# Altium PCB 电解模块主控板_V1.1_ZM_20210918.PcbDoc (part 2 of 3) (continued)
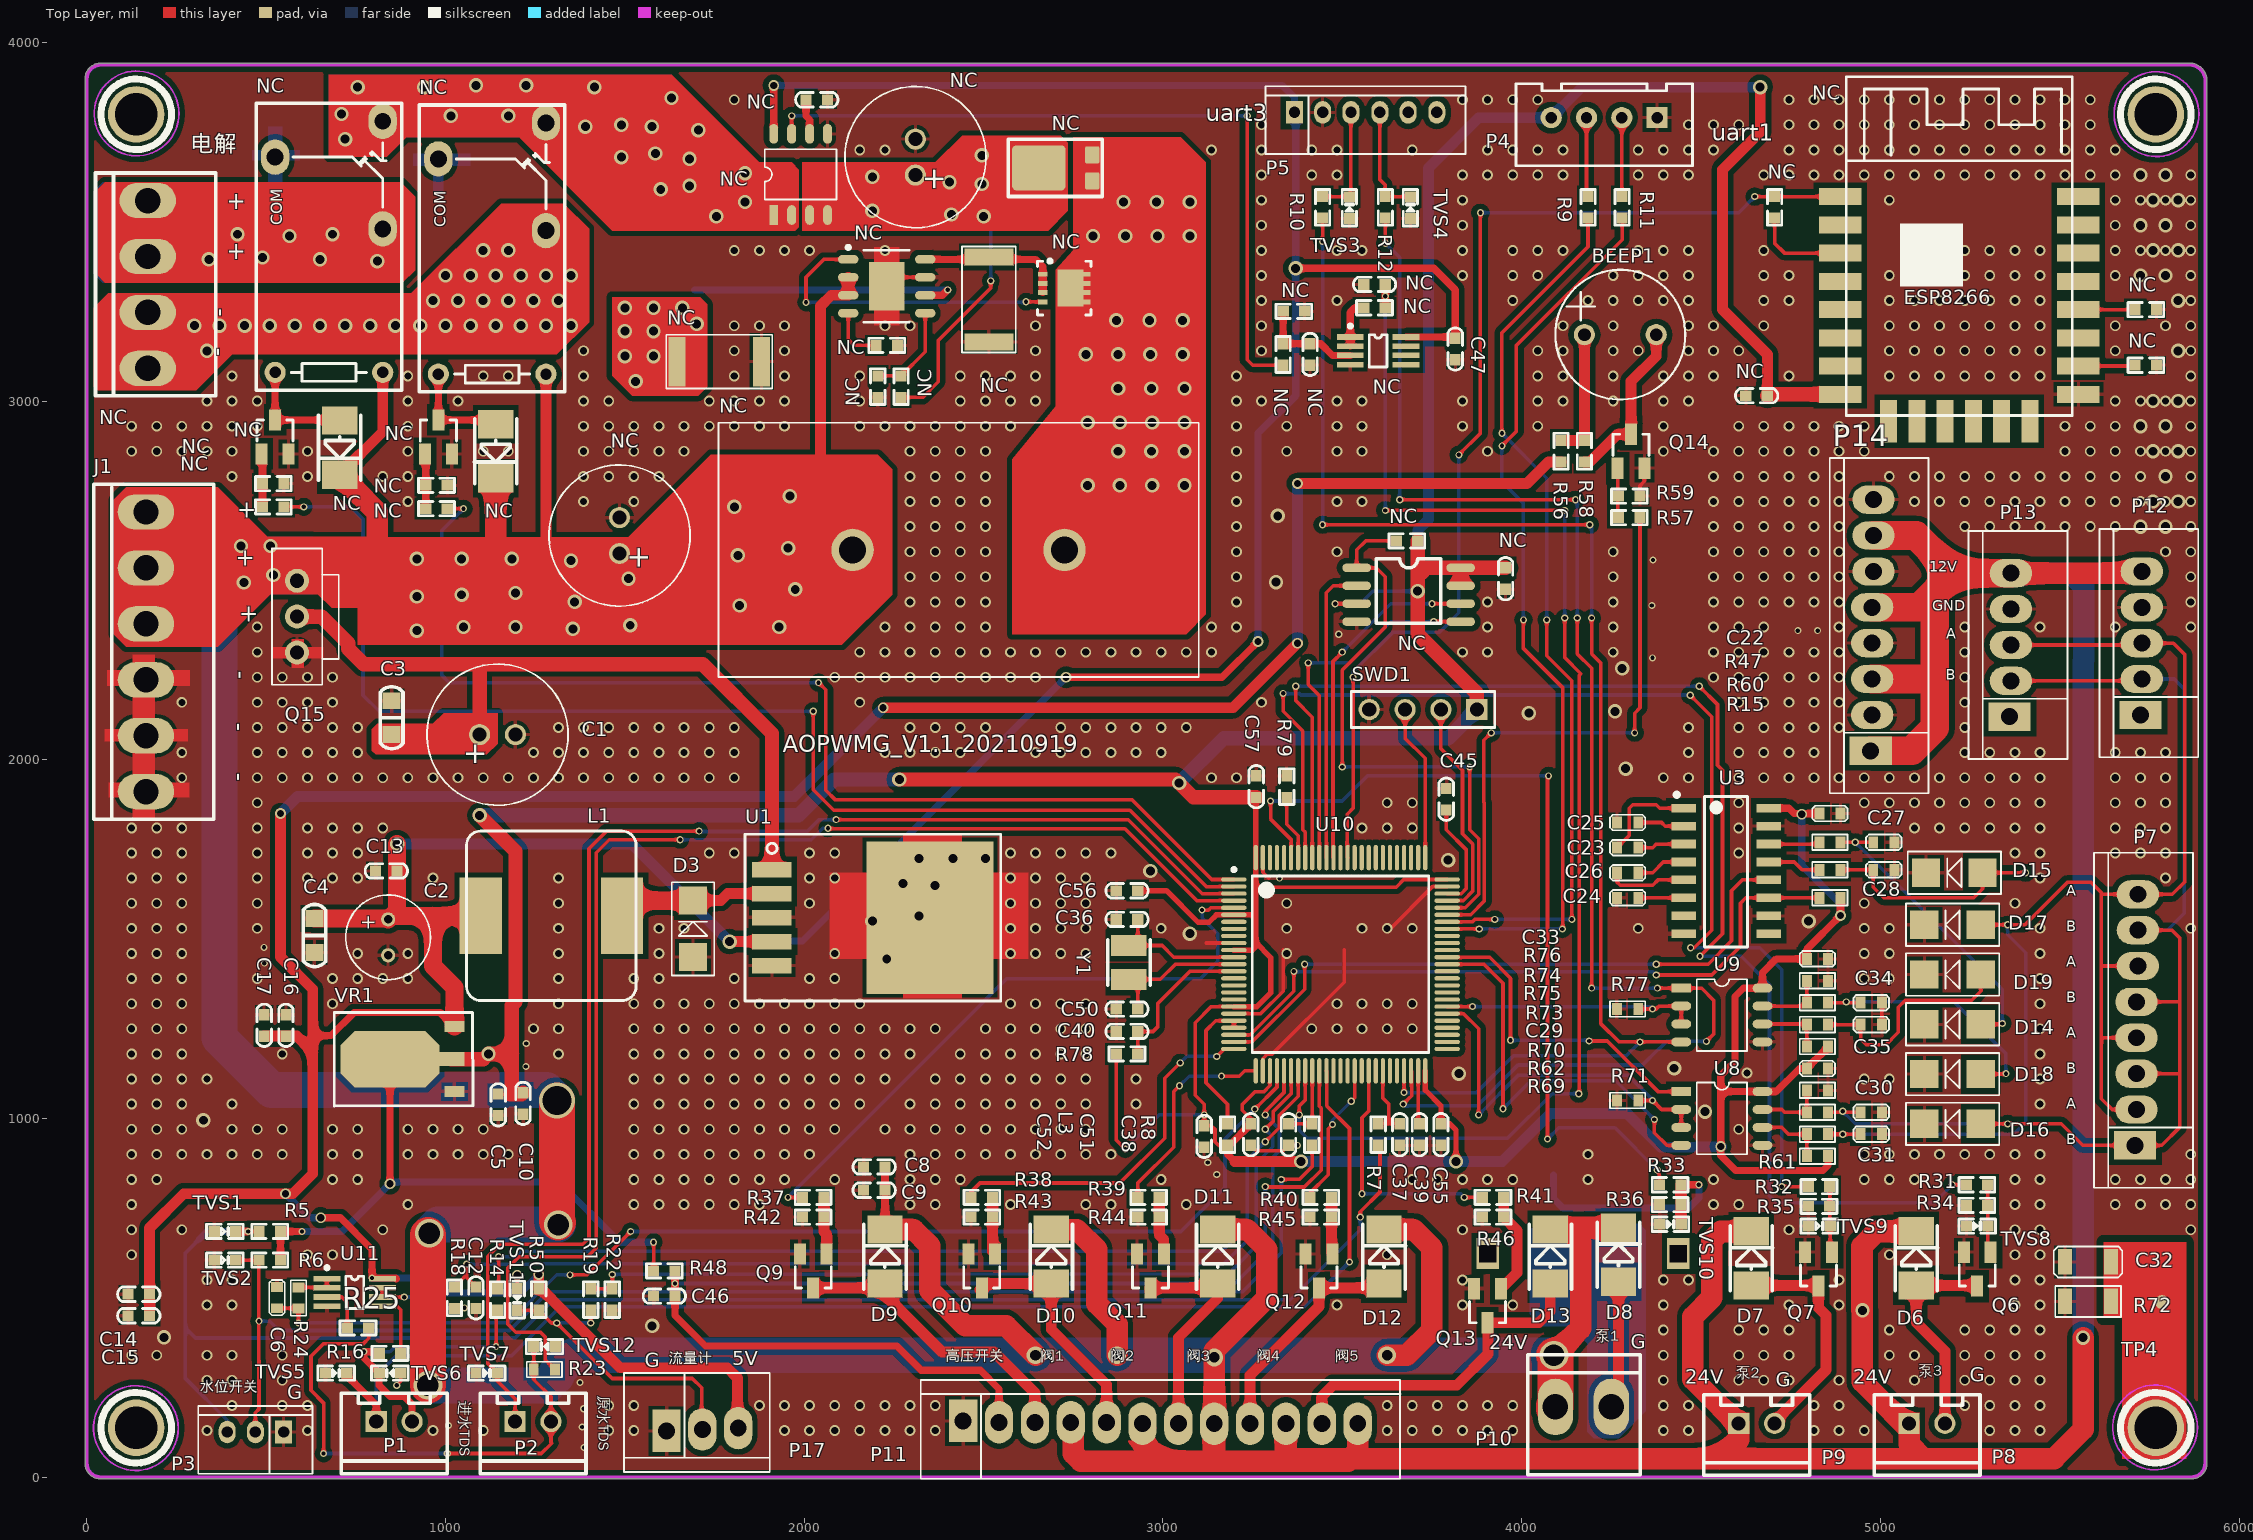
[diagram p0: Top Layer view]
## Nets (pads, with @x,y where several pads share a name; then routed paths per layer and width w, separated by ;. In a path a pad name is that pad's centre, name@x,y a point inside that pad or via, vN(x,y) a via of type N, cw(c..) or ccw(c..) an arc to the next point about the centre after c; other vN are vias at no path point) (continued)
  Top Layer w10: NC.1@2205,3070 NC.2@2270,3070 2337.28,3137.28 NC.5@2337.28,3245
NetNC_1: NC.1@2515,3401.22 NC.3@2664.96,3302.2 NC.3@2664.96,3327.8 NC.3@2664.96,3353.39 NC.8@2337.28,3395 | length 408.8
  Top Layer w20: NC.8@2337.28,3395 2645,3395 2664.96,3375.04 NC.3@2664.96,3353.39 NC.3@2664.96,3327.8 NC.3@2664.96,3302.2
NetNC_1: NC.1@2122.72,3395 NC.1@2664.96,3276.61 | length 869.1
  Top Layer w10: v3(2005,3275) 2005,3345 2055,3395 NC.1@2122.72,3395 ; v3(2618.39,3276.61) NC.1@2664.96,3276.61
  Bottom Layer w10: v3(2005,3275) 2616.77,3275 v3(2618.39,3276.61)
NetNC_1: NC.1@2802.95,3613.78 NC.1@2802.95,3686.22 NC.2@2725.55,2585 NC.2@2742.72,3315 NC.2@2785.04,3276.61 NC.2@2785.04,3302.2 NC.2@2785.04,3327.8 NC.2@2785.04,3353.39
  other v2: 2790,2765 2880,2765 2970,2765 3060,2765 2875,2860 2967.5,2860 3060,2860 2790,2940 2880,2940 2970,2940 3060,2940 2875,3035 2967.5,3035 3060,3035 2785,3130 2875,3130 2965,3130 3055,3130 2870,3225 2962.5,3225 3055,3225 2805,3460 2895,3460 2985,3460 3075,3460 2890,3555 2982.5,3555 3075,3555
NetNC_1: NC.1@3540,2535 NC.2@3650,2610 U10.71 | length 1664.1
  Top Layer w10: v3(3500,1980) 3500,2250 3620,2370 3620,2510 3595,2535 NC.1@3540,2535 3540,2585 3565,2610 NC.2@3650,2610 ; U10.71@3792.24,1587.48 3842.48,1587.48 3880,1625 3880,1780 3855,1805 v3(3855,1980)
  Bottom Layer w10: v3(3500,1980) v3(3855,1980)
NetNC_1: NC.1@5710,3100 NC.16 | length 159
  Top Layer w10: NC.16@5552,3097.56 5707.56,3097.56 NC.1@5710,3100
NetNC_1: NC.1@4705,3570 NC.1@4888,3570 U10.87 | length 3050
  Top Layer w10: U10.87@3514.69,1727.24 3513.37,1728.56 3513.37,1848.37 3530,1865 v3(3530,2230) ; v3(3825,2850) 3885,2910 v3(3885,3525) ; v3(4650,3570) NC.1@4705,3570 NC.1@4888,3570
  Bottom Layer w10: v3(3530,2230) 3530,2245 3640,2355 3770,2355 3825,2410 v3(3825,2850) ; v3(3885,3525) 4605,3525 v3(4650,3570)
NetNC_1: NC.1@3522.24,3178.39 NC.2@3522.24,3152.8 NC.2@3560,3260 | length 137.1
  Top Layer w20: NC.2@3522.24,3153.2 NC.1@3522.24,3178.39 3522.24,3247.24 3535,3260 NC.2@3560,3260
NetNC_1: NC.1@1005,2700 U10.1 | length 3142.2
  Top Layer w10: NC.1@1005,2700 v3(1050,2700) ; v3(2040,2215) 2060,2195 2060,1915 2087,1888 2914,1888 3135.78,1666.22 U10.1@3197.76,1666.22
  Bottom Layer w10: v3(1050,2700) 990,2640 990,2235 1010,2215 v3(2040,2215)
NetNC_1: NC.1@550,2705 U10.2 | length 3501.5
  Top Layer w10: NC.1@550,2705 v3(605,2705) ; v3(2025,2135) 2025,1916 2082,1859 2908,1859 3120.46,1646.54 U10.2@3197.76,1646.54
  Bottom Layer w10: v3(605,2705) 735,2705 770,2670 770,2180 815,2135 v3(2025,2135)
NetNC_1: NC.1@942.6,2852.76 NC.2@945,2700 NC.2@945,2765 | length 153.8
  Top Layer w20: NC.1@942.6,2852.76 945,2850.35 NC.2@945,2765 NC.2@945,2700
NetNC_1: NC.1@487.6,2852.76 NC.2@490,2705 NC.2@490,2770 | length 148.8
  Top Layer w20: NC.1@487.6,2852.76 490,2850.35 NC.2@490,2770 NC.2@490,2705
NetNC_1: NC.1@170,3091.14 NC.1@1280,3475 NC.2@170,3247.05
  other v2: 335,3140 300,3210 370,3210 440,3210 510,3210 580,3210 650,3210 720,3210 790,3210 860,3210 930,3210 1000,3210 1070,3210 1140,3210 1210,3210 1280,3210 1350,3210 965,3280 1035,3280 1105,3280 1175,3280 1245,3280 1315,3280 1000,3350 1070,3350 1140,3350 1210,3350 1280,3350 1350,3350 1105,3420 1175,3420
NetNC_1: NC.1@825,3480 NC.3@170,3402.95 NC.4@170,3558.86
  other v2: 810,3390 340,3395 650,3395 490,3400 565,3460 420,3465 685,3465
NetNC_1: NC.1@1140,2935.39 NC.3@980,2947.24 NC.4@980,3075 | length 292.7
  Top Layer w20: NC.4@980,3075 NC.3@980,2947.24 1128.15,2947.24 NC.1@1140,2935.39
NetNC_1: NC.1@705,2945.39 NC.3@525,2947.24 NC.4@525,3080 | length 313.5
  Top Layer w20: NC.4@525,3080 NC.3@525,2947.24 703.15,2947.24 NC.1@705,2945.39
NetNC_1: NC.1@3335,3160 NC.1@3410,3160 NC.2@3335,3250 NC.3@3522.24,3127.2 | length 290.8
  Top Layer w20: NC.2@3335,3250 NC.1@3335,3160 NC.1@3410,3160 3440,3160 3472.8,3127.2 NC.3@3522.24,3127.2
NetNC_1: NC.1@2005,3840 NC.6@2015,3745 | length 99.1
  Top Layer w20: NC.1@2005,3840 2005,3795 2015,3785 NC.6@2015,3745
NetNC_2: NC.2@3540,2485 U10.90 | length 830.8
  Top Layer w10: U10.90@3455.63,1727.24 3455.63,2465.63 3475,2485 NC.2@3540,2485
NetNC_2: NC.2@5710,3255 NC.18 | length 158
  Top Layer w10: NC.18@5552,3255.04 NC.2@5710,3255 NC.2@5710,3255
NetNC_2: NC.2@4705,3510 NC.3@4888,3412.52 | length 264.4
  Top Layer w10: NC.2@4705,3510 4705,3440 4732.48,3412.52 NC.3@4888,3412.52
NetNC_2: NC.2@3335,3100 NC.7@1965,3745 | length 2106.2
  Top Layer w10: NC.7@1965,3745 v3(1965,3795) ; v3(3235,3795) 3235,3115 3250,3100 NC.2@3335,3100
  Bottom Layer w10: v3(1965,3795) v3(3235,3795)
NetNC_5: NC.5@3830,2385 U10.91 | length 1028.2
  Top Layer w10: v3(3405,2270) 3405,2210 3435.94,2179.06 U10.91@3435.94,1727.24 ; v3(3755,2385) NC.5@3830,2385
  Bottom Layer w10: v3(3405,2270) 3520,2270 3635,2385 v3(3755,2385)
NetNC_6: NC.6@3830,2435 U10.89 | length 970
  Top Layer w10: U10.89@3475.31,1727.24 3474,1728.56 3474,2274 v3(3500,2300) ; v3(3750,2435) NC.6@3830,2435
  Bottom Layer w10: v3(3500,2300) 3635,2435 v3(3750,2435)
NetNC_21: NC.21
NetNC_22: NC.22
NetP1_1: P1.1 TVS5.2 U10.36 | length 3700.7
  Top Layer w10: U10.36@3455.63,1132.76 3457,1131.39 3457,1035 3520,972 v3(3520,600)
  Top Layer w20: TVS5.2@725,290 725,283 807,201 P1.1@807,155
  Bottom Layer w10: P1.1@807,155 807,283 862,338 1183,338 1320,475 3395,475 v3(3520,600)
NetP1_2: P1.2 R14.2 R16.1 TVS6.2 | length 794.1
  Top Layer w10: v3(1141,364) 1141,461 R14.2@1145,465
  Top Layer w20: R16.1@815,345 810,350 v3(773,350) 773,332 TVS6.2@815,290 815,255.65 845.15,225.5 884.5,225.5 907,203 P1.2@907,155
  Bottom Layer w10: v3(773,350) 845,350 859,364 v3(1141,364)
NetP2_1: P2.1 TVS7.2 U10.3 | length 3798.1
  Top Layer w10: P2.1@1194,155 1194,218 1145,267 TVS7.2@1145,290 1118,317 1118,615 1152,649 1383,649 1400,666 1400,1752 1449,1801 v3(1707,1801) ; v3(2089,1833) 2903,1833 3109.15,1626.85 U10.3@3197.76,1626.85
  Bottom Layer w10: v3(1707,1801) 1708,1800 2008,1800 2041,1833 v3(2089,1833)
NetP2_2: P2.2 R23.2 R25.1 TVS12.2 | length 1434
  Top Layer w10: v3(660,66) 660,207 625,242 625,337 660.5,372.5 771.5,372.5 786,387 R25.1@786,416 ; v3(1005,66) 1267,66 1296,95 1294,97 P2.2@1294,155 1294,223.94 1245.94,272 R23.2@1245.94,300 ; R23.2@1246,300 TVS12.2@1246,364
  Bottom Layer w10: v3(660,66) v3(1005,66)
NetP3_2: P3.2 R6.2 R8.1 TVS2.2 | length 3864.5
  Top Layer w10: TVS2.2@415,605 R6.2@480,605 479,604 479,326.16 480,325.16 480,190 470,180 P3.2@470,126 ; v3(3330,830) 3380,830 3416,866 3416,924 R8.1@3415,925
  Bottom Layer w10: v3(480,435) 510,435 536,409 1178.5,409 1287,517.5 3222.5,517.5 3330,625 v3(3330,830)
NetP4_2: P4.2 R11.1 | length 220.3
  Top Layer w10: P4.2@4279.21,3790 4279.21,3570.79 R11.1@4280,3570
NetP4_3: P4.3 R9.1 | length 221.7
  Top Layer w10: P4.3@4180.79,3790 4180.79,3574.21 R9.1@4185,3570
NetP5_3: P5.3 R10.1 TVS3.2 | length 312.8
  Top Layer w10: R10.1@3445,3570 3519,3570 TVS3.2@3520,3569 3524.04,3573.04 P5.3@3524.04,3804.75
NetP5_4: P5.4 R12.1 TVS4.2 | length 311.5
  Top Layer w10: P5.4@3604.75,3804.75 3604.75,3617.46 3619.21,3603 3619.21,3570.79 R12.1@3620,3570 3689,3570 TVS4.2@3690,3569
NetP17_2: P17.2 R19.1 R50.2 TVS11.2 | length 821.4
  Top Layer w10: TVS11.2@1200,465 R50.2@1260,465 1295,430 v3(1310,430) 1465,275 1688,275 1714,249 P17.2@1714,161.06 ; v3(1405,430) R19.1@1405,465
  Bottom Layer w10: v3(1310,430) v3(1405,430)
NetQ6_1: Q6.1 R31.1 R34.1 TVS8.2 | length 191.2
  Top Layer w10: R31.1@5299,815 R34.1@5299,757.5 5299,635.65 Q6.1@5307.4,627.24
NetQ7_1: Q7.1 R32.1 R35.1 TVS9.2 | length 185.2
  Top Layer w10: R32.1@4859,810 R35.1@4859,755 4859,701 TVS9.2@4860,700 4860,632.15 Q7.1@4864.9,627.24
NetQ8_1: Q8.1 R33.1 R36.1 TVS10.2 | length 691.1
  Top Layer w20: R33.1@4444,815 v3(4494,815)
  Top Layer w30: R33.1@4444,815 R36.1@4444,760 4444,706 TVS10.2@4445,705
  Bottom Layer w20: Q8.1@4088.45,842.65 4088.45,776.55 4115,750 4465,750 4494,779 v3(4494,815)
NetQ9_1: Q9.1 R37.1 R42.1 | length 160.8
  Top Layer w30: R37.1@2055,780 R42.1@2055,725 2055,685 2062.4,677.6 Q9.1@2062.4,622.24
NetQ10_1: Q10.1 R38.1 R43.1 | length 160.8
  Top Layer w30: R38.1@2525,780 R43.1@2525,725 2525,629.65 Q10.1@2532.4,622.24
NetQ11_1: Q11.1 R39.1 R44.1 | length 162.9
  Top Layer w30: R39.1@2990,780 R44.1@2990,725 2990,675 3002.4,662.6 Q11.1@3002.4,622.24
NetQ12_1: Q12.1 R40.1 R45.1 | length 158.8
  Top Layer w30: R40.1@3470,780 R45.1@3470,725 3470,624.65 Q12.1@3472.4,622.24
NetQ13_1: Q13.1 R41.1 R46.1 | length 288.6
  Top Layer w30: Q13.1@3942.4,525.24 3987,569.84 3987,688 R46.1@3950,725 R41.1@3950,780
NetQ14_1: Q14.1 R57.2 R59.1 | length 138.8
  Top Layer w10: Q14.1@4267.6,2812.76 4267.6,2677.4 R57.2@4270,2675
NetR9_2: R9.2 U10.69 | length 2485.8
  Top Layer w10: U10.69@3792.24,1548.11 3863.11,1548.11 3870,1555 v3(3925,1555) ; v3(3945,2910) 3945,3190 4185,3430 R9.2@4185,3510 ; v3(4070,2390) 4070,2290 4140,2220 v3(4140,1555)
  Bottom Layer w10: v3(3925,1555) v3(4140,1555) ; v3(3945,2910) 4070,2785 v3(4070,2390)
NetR11_2: R11.2 U10.68 | length 2512.6
  Top Layer w10: U10.68@3792.24,1528.43 v3(3881.57,1528.43) ; v3(3945,2875) 3985,2915 3985,3155 4280,3450 R11.2@4280,3510 ; v3(4005,2390) 4005,2310 4115,2200 4115,1530 v3(4113.43,1528.43)
  Bottom Layer w10: v3(3881.57,1528.43) v3(4113.43,1528.43) ; v3(3945,2875) 3945,2775 4005,2715 v3(4005,2390)
NetR14_1: R14.1 U10.32 | length 2705
  Top Layer w10: R14.1@1145,525 1148,528 v3(1148,615) ; v3(3285,935) 3324,974 3324,1009 3376.89,1061.89 U10.32@3376.89,1132.76
  Bottom Layer w10: v3(1148,615) 1195,615 1210,630 3165,630 3235,700 3235,885 v3(3285,935)
NetR16_2: R16.2 U11.5 | length 176.2
  Top Layer w10: U11.5@824.76,476.61 865.39,476.61 875,467 R16.2@875,345
NetR18_2: R18.2 U11.6 U11.7 | length 257.3
  Top Layer w10: U11.6@824.76,502.2 U11.7@824.76,527.8 ; 862.76,502.2 862.96,502 v3(885,502) ; R18.2@1025,470 1027,472 v3(1053,472)
  Bottom Layer w10: v3(885,502) 957.59,502 957.8,502.2 988,472 v3(1053,472)
NetR19_2: R19.2 R22.2 U10.35 | length 2552.2
  Top Layer w10: R19.2@1405,525 R22.2@1465,525 v3(1465,565) ; v3(3285,810) 3286,809 3394,809 3441,856 3441,1029 3435.94,1034.06 U10.35@3435.94,1132.76
  Bottom Layer w10: v3(1465,565) 3182.5,567.5 3285,670 v3@3285,805
NetR23_1: R23.1 U10.4 | length 3639
  Top Layer w10: R23.1@1305,300 1278,327 1278,391 1265,404 1196,404 1174,426 1174,584 1204,614 1395,614 1420,639 1420,1741 1456,1777 v3(1654,1777) ; v3(2066,1809) 2067,1808 2894,1808 3094.83,1607.17 U10.4@3197.76,1607.17
  Bottom Layer w10: v3(1654,1777) 2020,1777 2052,1809 v3(2066,1809)
NetR24_2: R24.2 U11.1 U11.2 | length 104.8
  Top Layer w10: R24.2@590,529.06 U11.2@669.24,529.06 ; U11.2@669.24,527.8 U11.2@669.24,529.06 ; U11.1@669.24,553.39 U11.2@669.24,529.06
NetR25_2: R25.2 U11.3 | length 134.1
  Top Layer w10: U11.3@669.24,502.2 710.8,502.2 726,487 R25.2@726,416
NetR31_2: R31.2 U10.92 | length 3820.2
  Top Layer w10: v3(3370,2205) 3370,2165 3416.26,2118.74 U10.92@3416.26,1727.24 ; v3(4495,2205) 4546,2154 4546,1985 4560,1971 4560,1515 v3(4497,1452) ; v3(5200,815) R31.2@5239,815
  Bottom Layer w10: v3(3370,2205) v3(4495,2205) ; v3(4497,1452) 4612,1452 4691,1373 4691,784 4710,765 5150,765 v3(5200,815)
NetR32_2: R32.2 U10.93 | length 3338.6
  Top Layer w10: v3(3335,2185) 3335,2135 3390,2080 3390,1805 3396.57,1798.43 U10.93@3396.57,1727.24 ; v3(4470,2180) 4530,2120 4530,1525 4481,1476 v3(4471,1476) ; v3(4725,810) R32.2@4799,810
  Bottom Layer w10: v3(3335,2185) 3336,2184 3378.7,2184 3379.7,2185 3384.17,2180.53 4469.47,2180.53 v3(4470,2180) ; v3(4471,1476) 4664,1476 4725,1415 v3(4725,810)
NetR33_2: R33.2 U10.95 | length 2409.1
  Top Layer w10: v3(3300,1885) 3300,1835 3357.2,1777.8 U10.95@3357.2,1727.24 ; v3(4072,943) 4072,1952 v3(4075,1955) ; v3@4378,851 4384,845 R33.2@4384,815
  Bottom Layer w10: v3(3300,1885) 3500,1885 3570,1955 v3(4075,1955) ; v3(4072,943) 4103,974 4260,974 v3(4378,856) ; v3@4375,853 v3@4378,850
NetR37_2: R37.2 U10.5 | length 1763.2
  Top Layer w10: v3(1955,780) R37.2@1995,780 ; v3(3109,1581) 3126.74,1581 3133.22,1587.48 U10.5@3197.76,1587.48
  Bottom Layer w10: v3(1955,780) 2565,1390 3105,1390 3153,1438 3153,1515 3109,1559 v3(3109,1581)
NetR38_2: R38.2 U10.25 | length 1010.8
  Top Layer w10: R38.2@2465,780 2465,795 2490,820 2880,820 3005,945 3005,1112 v3(3048,1155) ; v3(3150,1173) 3170.78,1193.78 U10.25@3197.76,1193.78
  Bottom Layer w10: v3(3048,1155) 3066,1173 v3(3150,1173)
NetR39_2: R39.2 U10.26 | length 589.1
  Top Layer w10: R39.2@2930,780 2930,820 3030,920 3030,1075 v3(3046,1091) ; v3(3163,1118) 3213,1118 3227.76,1132.76 U10.26@3258.78,1132.76
  Bottom Layer w10: v3(3046,1091) 3073,1118 v3(3163,1118)
NetR40_2: R40.2 U10.40 | length 404.3
  Top Layer w10: R40.2@3410,780 3410,792 3461,843 3461,971.6 v3(3472.4,983) ; v3(3525,1048) 3534.37,1057.37 U10.40@3534.37,1132.76
  Bottom Layer w10: v3(3472.4,983) 3472.4,995.4 v3(3525,1048)
NetR41_2: R41.2 U10.42 | length 689.7
  Top Layer w10: v3(3555,790) 3555,1002 3573.74,1020.74 U10.42@3573.74,1132.76 ; v3(3840,780) R41.2@3890,780
  Bottom Layer w10: v3(3555,790) 3830,790 v3(3840,780)
NetR47_1: R47.1 U3.14 | length 143.5
  Top Layer w10: U3.14@4688.61,1765 4825,1765 R47.1@4830,1770
NetR57_1: R57.1 U10.70 | length 1604.3
  Top Layer w10: U10.70@3792.24,1567.8 3857.8,1567.8 3896,1606 3896,1880 3894,1882 3894,2054 v3(3915,2075) ; v3(4315,2075) 4315,2130 4330,2145 R57.1@4330,2675
  Bottom Layer w10: v3(3915,2075) v3(4315,2075)
NetR60_1: R60.1 U3.13 | length 150.4
  Top Layer w10: U3.13@4688.61,1715 4760,1715 4781.67,1693.33 R60.1@4830,1693.33
NetR61_1: R61.1 R69.1 U8.6 | length 192.6
  Top Layer w10: U8.6@4671.38,975 4725,975 4743.89,956.11 R69.1@4795,956.11 R61.1@4795,895
NetR62_1: R62.1 R70.1 U8.7 | length 188
  Top Layer w10: U8.7@4671.38,1025 4725,1025 4732.78,1017.22 R62.1@4795,1017.22 R70.1@4795,1078.33
NetR73_1: R73.1 R75.1 U9.6 | length 185.4
  Top Layer w10: U9.6@4671.38,1263.34 4793.32,1263.34 R75.1@4795,1261.67 R73.1@4795,1200.56
NetR74_1: R74.1 R76.1 U9.7 | length 188.6
  Top Layer w10: U9.7@4671.38,1313.34 4785.57,1313.34 R74.1@4795,1322.78 R76.1@4795,1383.89
NetR79_2: R79.2 U10.94 | length 181
  Top Layer w10: R79.2@3345,1895 3345,1820 3376.89,1788.11 U10.94@3376.89,1727.24
NetU10_38: U10.38
NetU10_39: U10.39
NetU10_41: U10.41
NetU10_43: U10.43
NetU10_45: U10.45
NetU10_46: U10.46
NetU10_51: U10.51
NetU10_52: U10.52
NetU10_53: U10.53
NetU10_54: U10.54
NetU10_58: U10.58
NetU10_59: U10.59
NetU10_61: U10.61
NetU10_62: U10.62
NetU10_65: U10.65
NetU10_66: U10.66
NetU10_78: U10.78
NetU10_79: U10.79
NetU10_80: U10.80
NetU10_81: U10.81
NetU10_82: U10.82
NetU10_83: U10.83
NetU10_85: U10.85
NetU10_86: U10.86
NetU10_88: U10.88
RCS: NC.1@1645,3110 NC.3@525,3680 NC.3@980,3675 NC.6@2337.28,3295 | length 773.9
  Top Layer w20: NC.6@2337.28,3295 2385,3295 v3(2400,3310)
  Bottom Layer w20: 1695,3310 v3(2400,3310)
  other v2: 1530,3055 1500,3125 1580,3125 1500,3195 1580,3195 1700,3215 1500,3260 1580,3260 1660,3260
RXD1_485: U8.1 U10.64 | length 910.1
  Top Layer w10: U10.64@3792.24,1449.68 3792.93,1449 3911,1449 3970,1390 3969,1389 v3(3969,1218) ; v3(4188,1216) 4239,1216 4380,1075 U8.1@4445,1075
  Bottom Layer w10: v3(3969,1218) 4186,1218 v3(4188,1216)
RXD2_485: R12.2 U9.1 U10.48 | length 4172.9
  Top Layer w10: v3(3620,3440) R12.2@3620,3510 ; v3(3660,2725) v3(4150,2725) ; v3(3670,1040) 3687.5,1057.5 3687.5,1057.8 3693.17,1063.47 3693.17,1131.44 U10.48@3691.85,1132.76 ; v3(4155,2395) 4155,2295 4195,2255 v3(4195,1363.34) ; v3(4378.34,1363.34) U9.1@4445,1363.34 4501.66,1363.34 4535,1330 4535,1235 v3(4515,1215)
  Bottom Layer w10: v3(3620,3440) 3660,3400 v3(3660,2725) ; v3(3670,1040) 3675,1035 3876,1035 3990,1149 4337,1149 4382,1194 ; v3(4150,2725) 4155,2720 v3(4155,2395) ; v3(4195,1363.34) v3(4378.34,1363.34) ; 4383,1193 4405,1215 v3(4515,1215)
RXD_233: U3.12 U10.24 | length 1805.9
  Top Layer w10: U10.24@3197.76,1213.46 3248.46,1213.46 3395,1360 v3(3395,1430) ; v3(4375,1430) 4520,1430 4585,1495 4585,1635 4615,1665 U3.12@4688.61,1665
  Bottom Layer w10: v3(3395,1430) v3(4375,1430) v3@4380,1430
SWCLK: SWD1.3 U10.76 | length 436
  Top Layer w10: SWD1.3@3675,2140 3675,2060 3731.22,2003.78 U10.76@3731.22,1727.24
SWDIO: SWD1.2 U10.72 | length 625.7
  Top Layer w10: SWD1.2@3775,2140 3775,2030.3 3835,1970.3 3835,1794 3864,1765 3864,1634 3837.17,1607.17 U10.72@3792.24,1607.17
TXD1_485: U8.4 U10.63 | length 1157.1
  Top Layer w10: U10.63@3792.24,1430 3895,1430 3948,1377 v3(3948,1027) ; v3@4370,998 v3(4370,997) 4370,960 4405,925 U8.4@4445,925
  Bottom Layer w10: v3(3948,1027) 4026,1105 4262,1105 v3(4370,997) v3@4372,995
TXD2_485: R10.2 U9.4 U10.47 | length 4027
  Top Layer w10: v3(3445,2655) v3(4190,2655) ; v3(3445,3445) R10.2@3445,3510 ; v3(3672.17,1072.17) U10.47@3672.17,1132.76 ; v3(4195,2395) 4195,2295 4220,2270 4220,1265 4271.66,1213.34 v3(4330,1213.34) U9.4@4445,1213.34
  Bottom Layer w10: v3(3445,2655) v3(3445,3445) ; v3(3672.17,1072.17) 3874.17,1072.17 3977,1175 4292,1175 v3@4331,1214 ; v3(4190,2655) 4195,2650 v3(4195,2395)
TXD_232: R15.2 U3.11 U10.23 | length 1901.2
  Top Layer w10: U10.23@3197.76,1233.15 3243.15,1233.15 3365,1355 v3(3365,1410) ; v3(4375,1400) 4530,1400 4610,1480 4610,1600 4625,1615 U3.11@4688.61,1615 R15.2@4830,1615
  Bottom Layer w10: v3(3365,1410) 3366,1409 4366,1409 v3(4375,1400)
V5.0: C2.1 C4.2 C13.2 C14.2 C15.2 C16.2 C17.2 C47.2 L1.2 NC.8@1915,3745 NC.8@3677.76,3178.39 P5.1 P17.3 R50.1 R56.2 U1.4 U11.8 VR1.3 | length 16296.4
  Top Layer w20: 630,1231 681,1231 745,1295 986.1,1295 VR1.3@1025,1256.1 ; v1(652,723) 707,723 795,635 v3(795,555) 861.14,555 862.76,553.39 ; NC.8@1915,3745 v1(1915,3880) ; v1(2730,2230) 3165,2230 v1(3265,2330) ; v2(3370,3370) 3755,3370 3815,3310 C47.2@3815,3175 3811.61,3178.39 NC.8@3677.76,3178.39
  Top Layer w30: C15.2@175,450 C14.2@175,510 175,695 270,790 v1(554,790) 574,790 630,846 630,1185 ; C17.2@494.47,1230 585,1230 630,1185 ; v1(540,1850) 540,1450 630,1360 630,1231 630,1185 ; v1(1260,565) R50.1@1260,525 1266.16,525 1486.16,305 1785.17,305 1814,276.17 P17.3@1814,157.13 ; v2(1791.93,1493.07) U1.4@1910,1493.07 ; v1(2220,2145) 3195,2145 v1(3375,2325) ; v1(3375,2770) 4015,2770 4075,2830 R56.2@4110,2830
  Top Layer w50: C4.2@635,1557.24 837.76,1557.24 C2.1@840,1555 C2.1@850,1565 ; v2(865,1765) C13.2@865,1690 865,1580 C2.1@850,1565 ; VR1.3@1025,1256.1 1025,1365 965,1425 965,1565 ; L1.2@1098.15,1565 965,1565 ; C2.1@850,1565 965,1565
  Bottom Layer w20: v1(554,790) 621,723 v1(652,723) ; v3(795,555) 941,555 983,513 1208,513 v1(1260,565) ; v2(1791.93,1493.07) 1793.86,1495 1995,1495 v1(2730,2230) ; v1(1915,3880) 3332.36,3880 3366.56,3845.8 P5.1@3366.56,3804.75 3370,3801.31 v2(3370,3370) 3370,3015 3265,2910 v1(3265,2330)
  Bottom Layer w30: v1(540,1850) 587.5,1897.5 1972.5,1897.5 v1(2220,2145) ; v2(865,1765) 1520,1765 v2(1791.93,1493.07) ; v1(3375,2325) v1(3375,2770)
VDD12V: C8.2 C9.2 D6.2 D7.2 D8.2 D9.2 D10.2 D11.2 D12.2 D13.2 J1.4 J1.5 J1.6 NC.1@1485,2575 NC.1@2134.98,2584.98 NC.2@705,2794.61 NC.2@1140,2784.61 NC.2@2122.72,3345 NC.3@2122.72,3295 NC.5@825,3080 NC.5@1280,3075 P8.1 P9.1 P10.1 P11.4 P11.6 P11.8 P11.10 P11.12 P12.5 P13.5 P14.1 P14.3 P14.5 P14.7 Q15.3 | length 21400.6
  Top Layer w20: D9.2@2225,690.39 C9.2@2225,800 C8.2@2225,865
  Top Layer w30: NC.2@705,2794.61 825,2914.61 NC.5@825,3080 ; 1280,2605 NC.5@1280,3075 ; 2055,2820 2045,2830 2045,3265 2075,3295 NC.3@2122.72,3295 NC.2@2122.72,3345
  Top Layer w60: NC.2@705,2794.61 810,2689.61 810,2600 ; 1140,2605 NC.2@1140,2784.61 ; v5(1314,704) v5@1314,710 ; D9.2@2225,690.39 2304.61,690.39 2350,645 2350,521 2448.5,422.5 2562.5,422.5 v4(2645,340) ; D10.2@2688.75,690.39 2759.61,690.39 2815,635 2815,484 2872,427 v4(2872,340) ; P11.4@2743,153.06 2750,146.06 2750,66 2771,45 2991,45 ; P11.6@2943,149.13 2943,93 2991,45 ; v4@3143,353 P11.8@3143,149.13 3143,48 3146,45 ; v4(3143.03,334.03) 3143.03,353.03 3290,500 3290,635 3234.61,690.39 D11.2@3152.5,690.39 ; P11.10@3343,149.13 3343,51 3522,51 ; P11.12@3543,149.13 3543,72 3522,51 ; D12.2@3616.25,690.39 3699.61,690.39 3750,640 3750,410 3680,340 v4(3625,340) ; v5(4090,340) 4165.21,415.21 4165.21,654.79 4129.61,690.39 D13.2@4080,690.39 4085,695.39 D8.2@4270,695.39 ; D7.2@4640,685.39 4555.39,685.39 4530,660 4530,500 4477.5,447.5 4477.5,273.5 4601,150 P9.1@4605,150 4605,105 4551,51 ; v2@4948.75,465 4948.75,643.75 4990.39,685.39 D6.2@5100,685.39 ; v2(4950,465) 4950,265.8 5065.8,150 P8.1@5080,150 5080,92 5120,52 5174,52 ; P13.5@5363.94,2520 5723.94,2520 P12.5@5728.94,2525 ; v2(5565,389) 5565,133 5484,52 5174,52 ; 2991,45 3146,45 ; 3146,45 3516,45 3522,51 ; 3522,51 4551,51 ; 4551,51 5173,51 5174,52
  Top Layer w80: P14.1@4973.06,2025 5088,2025 5152,2089 5152,2235 ; P14.3@4977,2225 5142,2225 5152,2235 ; P14.5@4977,2425 5110,2425 5152,2467 ; P14.7@4980.94,2625 5100,2625 5205,2520 ; P13.5@5363.94,2520 5205,2520 ; 5152,2235 5152,2467 ; 5152,2467 5205,2520
  Top Layer w100: v5(951,256) v5@951,676 ; v6(1311,1050) 1311,713 v5@1314,710 ; P10.1@4090,190 4090,200.09 P10.1@4094.09,196 4094.09,335.91 v5(4090,340)
  Bottom Layer w60: P13.5@5363.94,2520 5531,2520 5567,2484 5567,2277 5565,2275 v2(5565,389)
  Bottom Layer w100: 370,2461 370,1224 515,1079 1282,1079 v6(1311,1050) ; v5(951,256) 1282.77,256 1309,282.23 1309,291.34 1357.66,340 v4(2645,340) v4(2872,340) v5(4090,340) ; v5(955,680) 979,704 v5(1314,704)
  other v2: 920,2360 1355,2365 1050,2370 1195,2370 1930,2370 1515,2375 1820,2430 1360,2440 920,2455 1045,2460 1195,2465 1975,2475 438,2494 1510,2505 520,2515 1350,2555 920,2560 1045,2560 1185,2560 1815,2570 1955,2590 430,2596 512,2596 1805,2705 1960,2735
VDD12V1: C1.1 C3.2 Q15.2 U1.1 | length 2046.7
  Top Layer w40: Q15.2@586,2399 655,2399 729,2325 729,2309.23 772.23,2266 1087,2266 ; C1.1@1095,2070 1095,2258 1087,2266 ; U1.1@1910,1693.86 1910,2073 1717,2266 1087,2266
VDD_ELE: NC.1@2270,3010 NC.1@2310,3630 NC.2@2654,3650 NC.3@2015,3518.62 NC.4@2065,3518.62 | length 652
  Top Layer w10: NC.1@2270,3010 2330,3010 2374,3054 2374,3169 2520,3315 v3(2520,3335)
  Bottom Layer w10: v2(2500,3515) 2520,3495 v3(2520,3335)
  other v2: 2410,3520 2190,3530 2495,3605 2405,3610 2190,3625 2495,3685
VO+: NC.1@1915,3518.62 NC.2@825,3780 NC.2@1280,3775 NC.2@1965,3518.62
  other v2: 1755,3515 1835,3555 1600,3590 1680,3600 1835,3635 1680,3675 1490,3680 1585,3690 720,3730 1705,3755 1390,3765 1575,3765 1490,3770 1015,3795 1175,3795 710,3800 1630,3845 755,3875 940,3875 1415,3875 1085,3880 1225,3880
pads on no net: NC.2@4888,3491.26 NC.4@4888,3333.78 NC.5@3677.76,3101.61 NC.5@4888,3255.04 NC.6@3677.76,3127.2 NC.6@4888,3176.3 NC.7@3677.76,3152.8 NC.7@4888,3097.56 NC.9@5023,2944 NC.10 NC.11 NC.12 NC.13 NC.14 NC.17 NC.19 NC.20 P5.5 P5.6 P12.1 P13.1 Q8.4 Q8.5 U3.7 U3.9 U10.7 U10.8 U10.9 U10.15 U10.16 U10.17 U10.18 U10.37 U10.55 U10.60 U10.67 U10.77 U10.84 U10.96 U10.97 U10.98

## Polygon pours and split planes (outlines as drawn)
GND on Bottom Layer "Top Layer-No Net" (solid, remove dead copper, pour order 12): -157,4057 6073,4057 6108,4092 6183,4017 6183,-178 4753,-178 4618,-313 4468,-163 -197,-163 -197,4092 -187,4102
RCS on Bottom Layer "Top Layer-No Net" (solid, remove dead copper, pour order 0): 435,3890 580,3890 630,3890 640,3880 645,3875 1020,3875 1080,3875 1095,3860 1240,3715 1460,3715 1500,3715 1680,3535 1735,3480 1735,3060 1735,3045 1705,3015 1700,3010 1585,3010 1530,3010 1500,3040 1460,3080 1460,3165 1460,3405 1385,3480 1345,3520 1200,3520 445,3520 425,3540 400,3565 400,3720 400,3855 435,3890
GND on Top Layer "Top Layer-No Net" (solid, remove dead copper, pour order 10): -765,4260 -469.29,3964.29 6160,3964.29 6160,-65 -305,-65 -305,3964.29

## Keep-outs
Keep-Out Layer:
  circle w5: c5765.8,138.8 r118.11
  circle w5: c5769.8,3799.8 r118.11
  circle w5: c138.8,3801.8 r118.11
  circle w5: c136.8,136.8 r118.11
  lines w10: 29.37,3937.01 5856.14,3937.01 ; 39.37,3937.01 ccw(c39.37,3897.64) 0,3897.64 0,39.37 ccw(c39.37,39.37) 39.37,0 5866.14,0 ccw(c5866.14,39.37) 5905.51,39.37 5905.51,3897.64 ccw(c5860.57,3892.07) 5855,3937.01
Mechanical 1:
  lines w10: 30,3937.01 5856.77,3937.01 ; 40,3937.01 ccw(c40,3897.64) 0.63,3897.64 0.63,39.37 ccw(c40,39.37) 40,0 5866.77,0 ccw(c5866.77,39.37) 5906.14,39.37 5906.14,3897.64 ccw(c5861.2,3892.07) 5855.63,3937.01

## Other copper
Top Layer:
  rectangle net GND: 60,1895 286,1937
  rectangle net GND: 50,2051 282,2086
  rectangle net GND: 127,1834 190,2293
  rectangle net GND: 56,2206 288,2250
  rectangle net GND: 570,2256 605,2336
  rectangle net GND: 519,2282 659.16,2314
  rectangle net GND: 2275,1335 2440,1790
  rectangle net GND: 2070,1445 2625,1685
  rectangle net GND: 2195,3210 2265,3430
  rectangle net NetC32_2: 5622,444 5834,655
  rectangle net NetC32_2: 5673,51 5854,655
  region net VDD12V: 110,2760 365,2760 503,2622 627,2622 627,2461 511,2461 365,2315 110,2315 75,2350 75,2725
  region net VDD12V: 755,2320 2105,2320 2245,2460 2245,2810 2205,2850 1740,2850 1510,2620 755,2620
  region net NetNC_1: 3065,2350 3120,2405 3120,3665 3050,3735 2750,3735 2750,3420 2700.92,3366.25 2700.92,2985 2580,2837.55 2580,2350
  region net VDD_ELE: 2715,3740 2735,3720 2735,3530 2680,3475 1995,3475 1995,3665 2365,3665 2440,3740
  region net VO+: 675,3910 1630,3910 1875,3665 1965,3665 1985,3645 1985,3485 1975,3475 1465,3475 1205,3735 890,3735 836.67,3681.67 675,3681.67 675,3701.88 675,3735
  region net NetNC_1: 50,3610 365,3610 875,3610 915,3570 915,3365 880,3330 50,3330 30,3350 30,3590
  region net NetNC_1: 60,3300 905,3300 1155,3550 1330,3550 1400,3480 1400,3220 1310,3130 405,3130 305,3030 30,3030 20,3040 20,3260
  region net RCS: 1465,3290 1710,3290 1730,3270 1730,3040 1705,3015 1520,3015 1465,3070
  region net VDD12V1: 965,2100 995,2130 1145,2130 1145,2045 1115,2015 805,2015 795,2025 795,2085 810,2100
  region net VDD12V: 536,2622 537,2621 796,2621 845,2572 845,2472 796.44,2423.44 682.85,2423.44 644.29,2462 532,2462 519,2475 529,2485 529,2614 534,2619
Bottom Layer:
  rectangle net GND: 525,2286 645,2314
  rectangle net RCS: 910,3655 1070,3690
  rectangle net RCS: 965,3580 995,3680
  rectangle net RCS: 460,3670 595,3700
  rectangle net RCS: 505,3610 545,3765
  region net VDD12V: 110,2760 365,2760 503,2622 629,2622 629,2462 512,2462 365,2315 110,2315 75,2350 75,2725
  region net VO+: 675,3910 1630,3910 1875,3665 1965,3665 1985,3645 1985,3485 1975,3475 1700,3475 1210,3735 890,3735 856.88,3701.88 675,3701.88 675,3735
  region net NetNC_1: 250,3610 365,3495 890,3495 910,3475 910,3360 880,3330 45,3330 20,3355 20,3585 45,3610
  region net NetNC_1: 65,3300 905,3300 1075,3470 1345,3470 1395,3420 1395,3225 1305,3135 385,3135 285,3035 35,3035 25,3045 25,3260
  region net NetD8_1: 4091,706 4092,707 4328,707 4346,689 4346,184 4270,108 4201,108 4183,126 4183,374 4136,421 4056,421 4023,454 4023,689 4040,706

## Silkscreen, mask and mechanical layers (free items; w line width, h text height)
Top Overlay:
  circle w19.68: c5767.72,137.8 r98.43
  circle w19.68: c5767.72,3799.21 r98.43
  circle w19.68: c137.8,3799.21 r98.43
  circle w19.68: c137.8,137.8 r98.43
  text "uart3" at 3120,3765 h80
  text "uart1" at 4530,3710 h80
  text "电解" at 290,3680 h80
  text "+" at 390,3520 h80
  text "+" at 390,3380 h80
  text "-" at 405,3235 h80 r90
  text "-" at 400,3125 h80 r90
  text "+" at 420,2660 h80
  text "+" at 415,2525 h80
  text "12V" at 5136,2514 h50
  text "GND" at 5145,2406 h50
  text "+" at 425,2370 h80
  text "A" at 5183,2327 h50
  text "-" at 460,2225 h80 r90
  text "B" at 5182,2213 h50
  text "-" at 455,2080 h80 r90
  text "AOPWMG_V1.1 20210919" at 1940,2005 h80
  text "-" at 455,1940 h80 r90
  text "A" at 5518,1611 h50
  text "B" at 5518,1512 h50
  text "A" at 5518,1413 h50
  text "B" at 5518,1314 h50
  text "A" at 5518,1215 h50
  text "B" at 5518,1116 h50
  text "A" at 5518,1017 h50
  text "B" at 5518,918 h50
  text "泵1" at 4207,371 h50
  text "G" at 4304,358 h40
  text "24V" at 3910,356 h40
  text "高压开关" at 2395,314.66 h50
  text "阀1" at 2659,315 h50
  text "阀2" at 2855,315 h50
  text "阀3" at 3066,315 h50
  text "阀4" at 3261,315 h50
  text "阀5" at 3481,315 h50
  text "5V" at 1799,312 h40
  text "流量计" at 1623,308 h50
  text "G" at 1556,306 h40
  text "泵3" at 5107,273 h50
  text "泵2" at 4598,268 h50
  text "G" at 5249,266 h40
  text "24V" at 4925,261 h40
  text "24V" at 4456,260 h40
  text "G" at 4708,252 h40
  text "水位开关" at 315,229 h50
  text "原水TDS" at 1417,227 h50 r270
  text "G" at 559,217 h40
  text "进水TDS" at 1030,211 h50 r270
Top Solder:
  lines w100: 951,256 951,676 ; 1314,710 1315,1054